# KiCad board SP110Duo.kicad_pcb
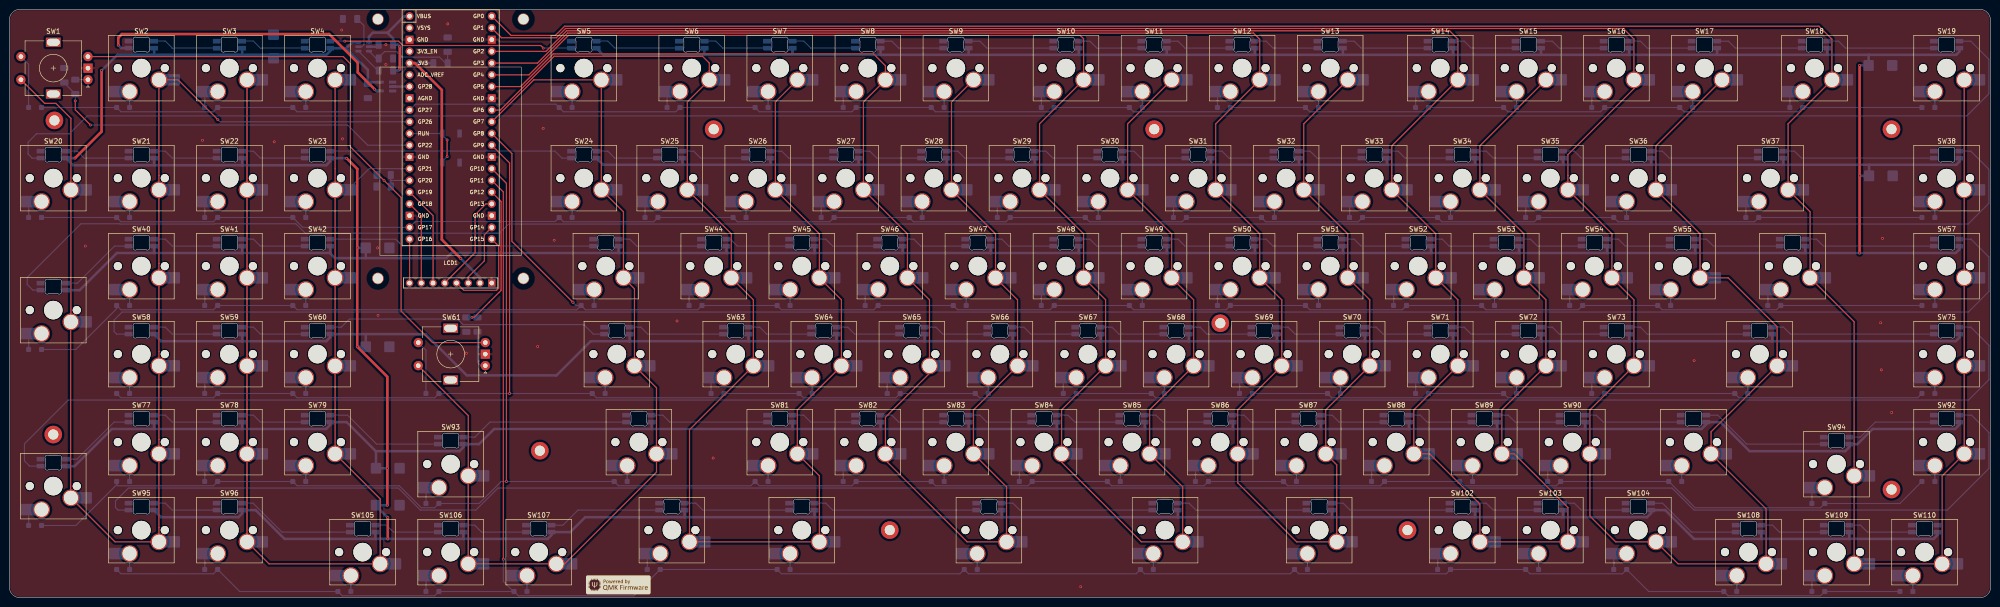
[diagram p0: board, top side]
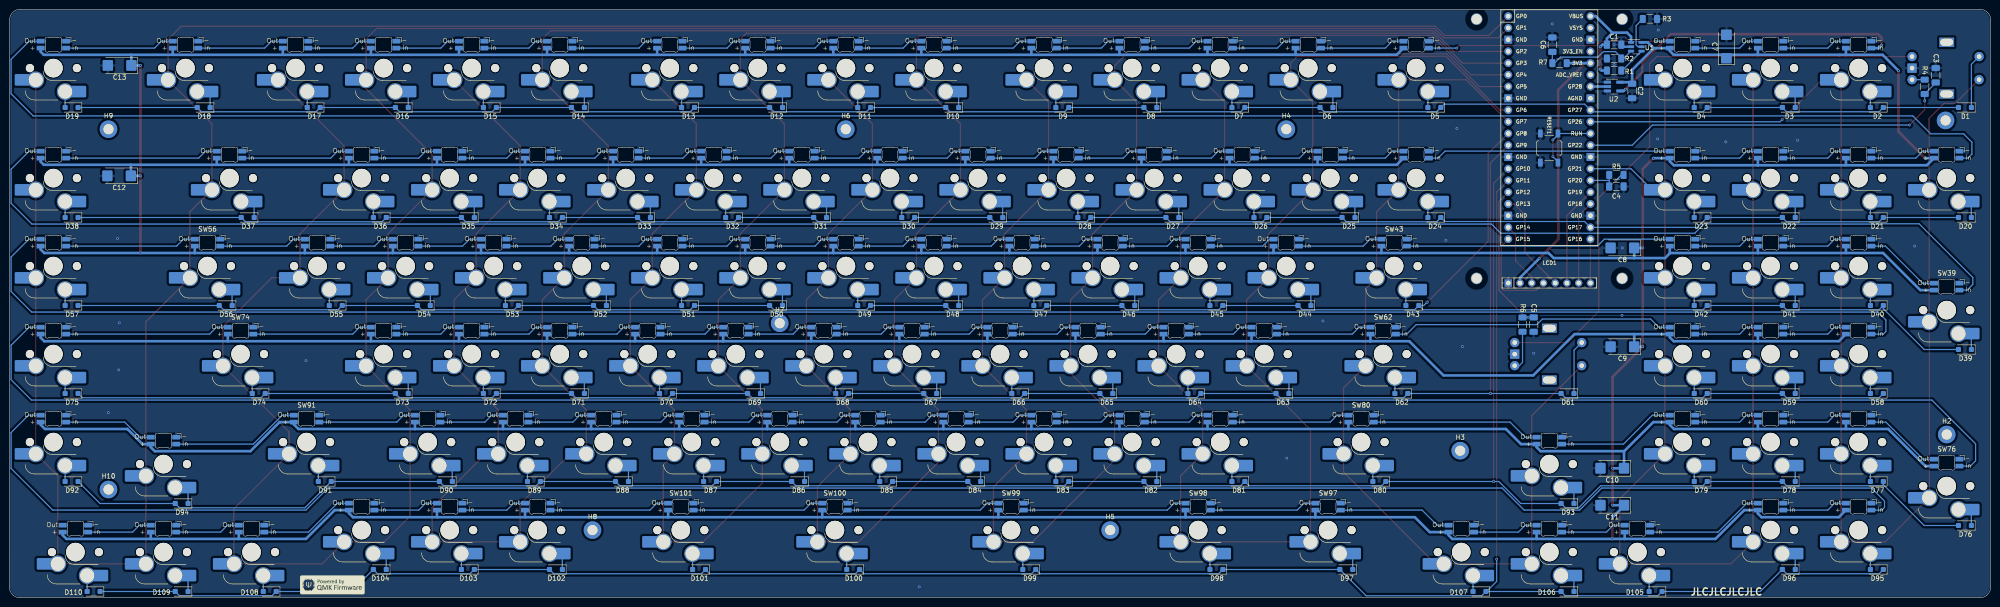
[diagram p1: board, bottom side, seen from below]

Outline 428.65 x 127.4 mm; copper layers: Top, Bottom. Coordinates in mm from the lower left corner of the outline.
Outline path: 0,125.02 0,2.38 arc(0.7,0.7) 2.38,0 426.27,0 arc(427.95,0.7) 428.65,2.38 428.6,125.02 arc(427.9,126.71) 426.22,127.4 2.38,127.4 arc(0.7,126.71) 0,125.02
Stack: Top 0.035mm / dielectric 1.51mm FR4 er 4.5 / Bottom 0.035mm

## Placement (name value [footprint] x y rotation side)
C1  100nF  [C_1206_3216Metric_Pad1.33x1.80mm_HandSolder]  81.48 119.73 0 bottom
C2  100nF  [C_1206_3216Metric_Pad1.33x1.80mm_HandSolder]  77.58 109.72 90 bottom
C3  100nF  [C_1206_3216Metric_Pad1.33x1.80mm_HandSolder]  11.91 113.12 270 bottom
C4  100nF  [C_1206_3216Metric_Pad1.33x1.80mm_HandSolder]  80.98 89.03 180 bottom
C5  100nF  [C_1206_3216Metric_Pad1.33x1.80mm_HandSolder]  98.88 59.13 90 bottom
C6  4.7uF  [C_1206_3216Metric_Pad1.33x1.80mm_HandSolder]  94.83 119.73 270 bottom
C7  100uF  [CP_EIA-6032-15_Kemet-U_Pad2.25x2.35mm_HandSolder]  57.18 119.33 90 bottom
C8  100uF  [CP_EIA-6032-15_Kemet-U_Pad2.25x2.35mm_HandSolder]  79.68 75.73 0 bottom
C9  100uF  [CP_EIA-6032-15_Kemet-U_Pad2.25x2.35mm_HandSolder]  79.68 54.33 0 bottom
C10  100uF  [CP_EIA-6032-15_Kemet-U_Pad2.25x2.35mm_HandSolder]  81.88 28.03 0 bottom
C11  100uF  [CP_EIA-6032-15_Kemet-U_Pad2.25x2.35mm_HandSolder]  81.88 20.03 0 bottom
C12  100uF  [CP_EIA-6032-15_Kemet-U_Pad2.25x2.35mm_HandSolder]  404.88 91.33 0 bottom
C13  100uF  [CP_EIA-6032-15_Kemet-U_Pad2.25x2.35mm_HandSolder]  404.78 115.23 0 bottom
D1  1N4148W  [D_SOD-123F]  5.59 106.13 0 bottom
D2  1N4148W  [D_SOD-123F]  24.64 106.13 0 bottom
D3  1N4148W  [D_SOD-123F]  43.69 106.13 0 bottom
D4  1N4148W  [D_SOD-123F]  62.74 106.13 0 bottom
D5  1N4148W  [D_SOD-123F]  120.36 106.13 0 bottom
D6  1N4148W  [D_SOD-123F]  143.7 106.13 0 bottom
D7  1N4148W  [D_SOD-123F]  162.75 106.13 0 bottom
D8  1N4148W  [D_SOD-123F]  181.8 106.13 0 bottom
D9  1N4148W  [D_SOD-123F]  200.85 106.13 0 bottom
D10  1N4148W  [D_SOD-123F]  224.66 106.13 0 bottom
D11  1N4148W  [D_SOD-123F]  243.71 106.13 0 bottom
D12  1N4148W  [D_SOD-123F]  262.76 106.13 0 bottom
D13  1N4148W  [D_SOD-123F]  281.81 106.13 0 bottom
D14  1N4148W  [D_SOD-123F]  305.62 106.13 0 bottom
D15  1N4148W  [D_SOD-123F]  324.67 106.13 0 bottom
D16  1N4148W  [D_SOD-123F]  343.72 106.13 0 bottom
D17  1N4148W  [D_SOD-123F]  362.77 106.13 0 bottom
D18  1N4148W  [D_SOD-123F]  386.59 106.13 0 bottom
D19  1N4148W  [D_SOD-123F]  415.16 106.13 0 bottom
D20  1N4148W  [D_SOD-123F]  5.59 82.32 0 bottom
D21  1N4148W  [D_SOD-123F]  24.64 82.32 0 bottom
D22  1N4148W  [D_SOD-123F]  43.69 82.32 0 bottom
D23  1N4148W  [D_SOD-123F]  62.74 82.32 0 bottom
D24  1N4148W  [D_SOD-123F]  120.36 82.32 0 bottom
D25  1N4148W  [D_SOD-123F]  138.94 82.32 0 bottom
D26  1N4148W  [D_SOD-123F]  157.99 82.32 0 bottom
D27  1N4148W  [D_SOD-123F]  177.04 82.32 0 bottom
D28  1N4148W  [D_SOD-123F]  196.09 82.32 0 bottom
D29  1N4148W  [D_SOD-123F]  215.14 82.32 0 bottom
D30  1N4148W  [D_SOD-123F]  234.19 82.32 0 bottom
D31  1N4148W  [D_SOD-123F]  253.24 82.32 0 bottom
D32  1N4148W  [D_SOD-123F]  272.29 82.32 0 bottom
D33  1N4148W  [D_SOD-123F]  291.34 82.32 0 bottom
D34  1N4148W  [D_SOD-123F]  310.39 82.32 0 bottom
D35  1N4148W  [D_SOD-123F]  329.44 82.32 0 bottom
D36  1N4148W  [D_SOD-123F]  348.49 82.32 0 bottom
D37  1N4148W  [D_SOD-123F]  377.06 82.32 0 bottom
D38  1N4148W  [D_SOD-123F]  415.16 82.32 0 bottom
D39  1N4148W  [D_SOD-123F]  5.59 53.75 0 bottom
D40  1N4148W  [D_SOD-123F]  24.64 63.27 0 bottom
D41  1N4148W  [D_SOD-123F]  43.69 63.27 0 bottom
D42  1N4148W  [D_SOD-123F]  62.74 63.27 0 bottom
D43  1N4148W  [D_SOD-123F]  125.12 63.27 0 bottom
D44  1N4148W  [D_SOD-123F]  148.46 63.27 0 bottom
D45  1N4148W  [D_SOD-123F]  167.51 63.27 0 bottom
D46  1N4148W  [D_SOD-123F]  186.56 63.27 0 bottom
D47  1N4148W  [D_SOD-123F]  205.61 63.27 0 bottom
D48  1N4148W  [D_SOD-123F]  224.66 63.27 0 bottom
D49  1N4148W  [D_SOD-123F]  243.71 63.27 0 bottom
D50  1N4148W  [D_SOD-123F]  262.76 63.27 0 bottom
D51  1N4148W  [D_SOD-123F]  281.81 63.27 0 bottom
D52  1N4148W  [D_SOD-123F]  300.86 63.27 0 bottom
D53  1N4148W  [D_SOD-123F]  319.91 63.27 0 bottom
D54  1N4148W  [D_SOD-123F]  338.96 63.27 0 bottom
D55  1N4148W  [D_SOD-123F]  358.01 63.27 0 bottom
D56  1N4148W  [D_SOD-123F]  381.82 63.27 0 bottom
D57  1N4148W  [D_SOD-123F]  415.16 63.27 0 bottom
D58  1N4148W  [D_SOD-123F]  24.64 44.22 0 bottom
D59  1N4148W  [D_SOD-123F]  43.69 44.22 0 bottom
D60  1N4148W  [D_SOD-123F]  62.74 44.22 0 bottom
D61  1N4148W  [D_SOD-123F]  91.55 44.22 0 bottom
D62  1N4148W  [D_SOD-123F]  127.51 44.22 0 bottom
D63  1N4148W  [D_SOD-123F]  153.22 44.22 0 bottom
D64  1N4148W  [D_SOD-123F]  172.27 44.22 0 bottom
D65  1N4148W  [D_SOD-123F]  191.32 44.22 0 bottom
D66  1N4148W  [D_SOD-123F]  210.37 44.22 0 bottom
D67  1N4148W  [D_SOD-123F]  229.42 44.22 0 bottom
D68  1N4148W  [D_SOD-123F]  248.47 44.22 0 bottom
D69  1N4148W  [D_SOD-123F]  267.52 44.22 0 bottom
D70  1N4148W  [D_SOD-123F]  286.57 44.22 0 bottom
D71  1N4148W  [D_SOD-123F]  305.62 44.22 0 bottom
D72  1N4148W  [D_SOD-123F]  324.67 44.22 0 bottom
D73  1N4148W  [D_SOD-123F]  343.72 44.22 0 bottom
D74  1N4148W  [D_SOD-123F]  374.68 44.22 0 bottom
D75  1N4148W  [D_SOD-123F]  415.16 44.22 0 bottom
D76  1N4148W  [D_SOD-123F]  5.59 15.65 0 bottom
D77  1N4148W  [D_SOD-123F]  24.64 25.17 0 bottom
D78  1N4148W  [D_SOD-123F]  43.69 25.17 0 bottom
D79  1N4148W  [D_SOD-123F]  62.74 25.17 0 bottom
D80  1N4148W  [D_SOD-123F]  132.27 25.17 0 bottom
D81  1N4148W  [D_SOD-123F]  162.75 25.17 0 bottom
D82  1N4148W  [D_SOD-123F]  181.8 25.17 0 bottom
D83  1N4148W  [D_SOD-123F]  200.85 25.17 0 bottom
D84  1N4148W  [D_SOD-123F]  219.9 25.17 0 bottom
D85  1N4148W  [D_SOD-123F]  238.95 25.17 0 bottom
D86  1N4148W  [D_SOD-123F]  258 25.17 0 bottom
D87  1N4148W  [D_SOD-123F]  277.05 25.17 0 bottom
D88  1N4148W  [D_SOD-123F]  296.1 25.17 0 bottom
D89  1N4148W  [D_SOD-123F]  315.15 25.17 0 bottom
D90  1N4148W  [D_SOD-123F]  334.2 25.17 0 bottom
D91  1N4148W  [D_SOD-123F]  360.39 25.17 0 bottom
D92  1N4148W  [D_SOD-123F]  415.16 25.17 0 bottom
D93  1N4148W  [D_SOD-123F]  91.55 20.41 0 bottom
D94  1N4148W  [D_SOD-123F]  391.35 20.41 0 bottom
D95  1N4148W  [D_SOD-123F]  24.64 6.12 0 bottom
D96  1N4148W  [D_SOD-123F]  43.69 6.12 0 bottom
D97  1N4148W  [D_SOD-123F]  139.41 6.12 0 bottom
D98  1N4148W  [D_SOD-123F]  167.51 6.12 0 bottom
D99  1N4148W  [D_SOD-123F]  207.99 6.12 0 bottom
D100  1N4148W  [D_SOD-123F]  246.09 6.12 0 bottom
D101  1N4148W  [D_SOD-123F]  279.43 6.12 0 bottom
D102  1N4148W  [D_SOD-123F]  310.39 6.12 0 bottom
D103  1N4148W  [D_SOD-123F]  329.44 6.12 0 bottom
D104  1N4148W  [D_SOD-123F]  348.49 6.12 0 bottom
D105  1N4148W  [D_SOD-123F]  72.5 1.36 0 bottom
D106  1N4148W  [D_SOD-123F]  91.55 1.36 0 bottom
D107  1N4148W  [D_SOD-123F]  110.6 1.36 0 bottom
D108  1N4148W  [D_SOD-123F]  372.3 1.36 0 bottom
D109  1N4148W  [D_SOD-123F]  391.35 1.36 0 bottom
D110  1N4148W  [D_SOD-123F]  410.4 1.36 0 bottom
G***  LOGO  [QMK_PoweredBy]  131.76 2.79 0 top
G***#2  LOGO  [QMK_PoweredBy]  358.75 2.79 180 bottom
H1  MountingHole  [MountingHole_2.2mm_M2_DIN965_Pad]  9.78 103.33 180 bottom
H2  MountingHole  [MountingHole_2.2mm_M2_DIN965_Pad]  9.53 35.33 180 bottom
H3  MountingHole  [MountingHole_2.2mm_M2_DIN965_Pad]  114.78 31.84 180 bottom
H4  MountingHole  [MountingHole_2.2mm_M2_DIN965_Pad]  152.38 101.44 180 bottom
H5  MountingHole  [MountingHole_2.2mm_M2_DIN965_Pad]  190.48 14.65 180 bottom
H6  MountingHole  [MountingHole_2.2mm_M2_DIN965_Pad]  247.68 101.44 180 bottom
H7  MountingHole  [MountingHole_2.2mm_M2_DIN965_Pad]  261.98 59.44 180 bottom
H8  MountingHole  [MountingHole_2.2mm_M2_DIN965_Pad]  302.48 14.65 180 bottom
H9  MountingHole  [MountingHole_2.2mm_M2_DIN965_Pad]  407.18 101.44 180 bottom
H10  MountingHole  [MountingHole_2.2mm_M2_DIN965_Pad]  407.18 23.44 180 bottom
LCD1  -  [LCD-ST7789-2in]  95.49 97.19 180 top
R1  5.1k  [R_1206_3216Metric_Pad1.30x1.75mm_HandSolder]  81.48 114.13 0 bottom
R2  5.1k  [R_1206_3216Metric_Pad1.30x1.75mm_HandSolder]  81.48 116.73 180 bottom
R3  75k  [R_1206_3216Metric_Pad1.30x1.75mm_HandSolder]  73.73 125.3 180 bottom
R4  5.1k  [R_1206_3216Metric_Pad1.30x1.75mm_HandSolder]  14.29 110.61 90 bottom
R5  5.1k  [R_1206_3216Metric_Pad1.30x1.75mm_HandSolder]  80.98 91.53 180 bottom
R6  5.1k  [R_1206_3216Metric_Pad1.30x1.75mm_HandSolder]  101.29 59.13 270 bottom
R7  10k  [R_1206_3216Metric_Pad1.30x1.75mm_HandSolder]  93.28 115.73 180 bottom
RESET1  SW_Push  [SW_SPST_TL3342]  95.53 97.35 270 bottom
SW1  RotaryEncoder_Switch  [RotaryEncoder_Alps_EC11E-Switch_Vertical_H20mm_Centred]  9.53 114.66 180 top
SW2  Switch w/LED  [Hotswap_MX_Plated_LED_1u]  28.58 114.66 0 top
SW3  Switch w/LED  [Hotswap_MX_Plated_LED_1u]  47.63 114.66 0 top
SW4  Switch w/LED  [Hotswap_MX_Plated_LED_1u]  66.68 114.66 0 top
SW5  Switch w/LED  [Hotswap_MX_Plated_LED_1u]  124.3 114.66 0 top
SW6  Switch w/LED  [Hotswap_MX_Plated_LED_1u]  147.64 114.66 0 top
SW7  Switch w/LED  [Hotswap_MX_Plated_LED_1u]  166.69 114.66 0 top
SW8  Switch w/LED  [Hotswap_MX_Plated_LED_1u]  185.74 114.66 0 top
SW9  Switch w/LED  [Hotswap_MX_Plated_LED_1u]  204.79 114.66 0 top
SW10  Switch w/LED  [Hotswap_MX_Plated_LED_1u]  228.6 114.66 0 top
SW11  Switch w/LED  [Hotswap_MX_Plated_LED_1u]  247.65 114.66 0 top
SW12  Switch w/LED  [Hotswap_MX_Plated_LED_1u]  266.7 114.66 0 top
SW13  Switch w/LED  [Hotswap_MX_Plated_LED_1u]  285.75 114.66 0 top
SW14  Switch w/LED  [Hotswap_MX_Plated_LED_1u]  309.56 114.66 0 top
SW15  Switch w/LED  [Hotswap_MX_Plated_LED_1u]  328.61 114.66 0 top
SW16  Switch w/LED  [Hotswap_MX_Plated_LED_1u]  347.66 114.66 0 top
SW17  Switch w/LED  [Hotswap_MX_Plated_LED_1u]  366.71 114.66 0 top
SW18  Switch w/LED  [Hotswap_MX_Plated_LED_1u]  390.53 114.66 0 top
SW19  Switch w/LED  [Hotswap_MX_Plated_LED_1u]  419.1 114.66 0 top
SW20  Switch w/LED  [Hotswap_MX_Plated_LED_1u]  9.53 90.85 0 top
SW21  Switch w/LED  [Hotswap_MX_Plated_LED_1u]  28.58 90.85 0 top
SW22  Switch w/LED  [Hotswap_MX_Plated_LED_1u]  47.63 90.85 0 top
SW23  Switch w/LED  [Hotswap_MX_Plated_LED_1u]  66.68 90.85 0 top
SW24  Switch w/LED  [Hotswap_MX_Plated_LED_1u]  124.3 90.85 0 top
SW25  Switch w/LED  [Hotswap_MX_Plated_LED_1u]  142.88 90.85 0 top
SW26  Switch w/LED  [Hotswap_MX_Plated_LED_1u]  161.93 90.85 0 top
SW27  Switch w/LED  [Hotswap_MX_Plated_LED_1u]  180.98 90.85 0 top
SW28  Switch w/LED  [Hotswap_MX_Plated_LED_1u]  200.03 90.85 0 top
SW29  Switch w/LED  [Hotswap_MX_Plated_LED_1u]  219.08 90.85 0 top
SW30  Switch w/LED  [Hotswap_MX_Plated_LED_1u]  238.13 90.85 0 top
SW31  Switch w/LED  [Hotswap_MX_Plated_LED_1u]  257.18 90.85 0 top
SW32  Switch w/LED  [Hotswap_MX_Plated_LED_1u]  276.23 90.85 0 top
SW33  Switch w/LED  [Hotswap_MX_Plated_LED_1u]  295.28 90.85 0 top
SW34  Switch w/LED  [Hotswap_MX_Plated_LED_1u]  314.33 90.85 0 top
SW35  Switch w/LED  [Hotswap_MX_Plated_LED_1u]  333.38 90.85 0 top
SW36  Switch w/LED  [Hotswap_MX_Plated_LED_1u]  352.43 90.85 0 top
SW37  Switch w/LED  [Hotswap_MX_Plated_LED_1u]  381 90.85 0 top
SW38  Switch w/LED  [Hotswap_MX_Plated_LED_1u]  419.1 90.85 0 top
SW39  Switch w/LED  [Hotswap_MX_Plated_LED_2u_90deg]  9.53 62.27 0 top
SW40  Switch w/LED  [Hotswap_MX_Plated_LED_1u]  28.58 71.8 0 top
SW41  Switch w/LED  [Hotswap_MX_Plated_LED_1u]  47.63 71.8 0 top
SW42  Switch w/LED  [Hotswap_MX_Plated_LED_1u]  66.68 71.8 0 top
SW43  Switch w/LED  [Hotswap_MX_Plated_LED_1.5u]  129.06 71.8 0 top
SW44  Switch w/LED  [Hotswap_MX_Plated_LED_1u]  152.4 71.8 0 top
SW45  Switch w/LED  [Hotswap_MX_Plated_LED_1u]  171.45 71.8 0 top
SW46  Switch w/LED  [Hotswap_MX_Plated_LED_1u]  190.5 71.8 0 top
SW47  Switch w/LED  [Hotswap_MX_Plated_LED_1u]  209.55 71.8 0 top
SW48  Switch w/LED  [Hotswap_MX_Plated_LED_1u]  228.6 71.8 0 top
SW49  Switch w/LED  [Hotswap_MX_Plated_LED_1u]  247.65 71.8 0 top
SW50  Switch w/LED  [Hotswap_MX_Plated_LED_1u]  266.7 71.8 0 top
SW51  Switch w/LED  [Hotswap_MX_Plated_LED_1u]  285.75 71.8 0 top
SW52  Switch w/LED  [Hotswap_MX_Plated_LED_1u]  304.8 71.8 0 top
SW53  Switch w/LED  [Hotswap_MX_Plated_LED_1u]  323.85 71.8 0 top
SW54  Switch w/LED  [Hotswap_MX_Plated_LED_1u]  342.9 71.8 0 top
SW55  Switch w/LED  [Hotswap_MX_Plated_LED_1u]  361.95 71.8 0 top
SW56  Switch w/LED  [Hotswap_MX_Plated_LED_1.5u]  385.76 71.8 0 top
SW57  Switch w/LED  [Hotswap_MX_Plated_LED_1u]  419.1 71.8 0 top
SW58  Switch w/LED  [Hotswap_MX_Plated_LED_1u]  28.58 52.75 0 top
SW59  Switch w/LED  [Hotswap_MX_Plated_LED_1u]  47.63 52.75 0 top
SW60  Switch w/LED  [Hotswap_MX_Plated_LED_1u]  66.68 52.75 0 top
SW61  RotaryEncoder_Switch  [RotaryEncoder_Alps_EC11E-Switch_Vertical_H20mm_Centred_1]  95.49 52.75 180 top
SW62  Switch w/LED  [Hotswap_MX_Plated_LED_1.75u]  131.45 52.75 0 top
SW63  Switch w/LED  [Hotswap_MX_Plated_LED_1u]  157.16 52.75 0 top
SW64  Switch w/LED  [Hotswap_MX_Plated_LED_1u]  176.21 52.75 0 top
SW65  Switch w/LED  [Hotswap_MX_Plated_LED_1u]  195.26 52.75 0 top
SW66  Switch w/LED  [Hotswap_MX_Plated_LED_1u]  214.31 52.75 0 top
SW67  Switch w/LED  [Hotswap_MX_Plated_LED_1u]  233.36 52.75 0 top
SW68  Switch w/LED  [Hotswap_MX_Plated_LED_1u]  252.41 52.75 0 top
SW69  Switch w/LED  [Hotswap_MX_Plated_LED_1u]  271.46 52.75 0 top
SW70  Switch w/LED  [Hotswap_MX_Plated_LED_1u]  290.51 52.75 0 top
SW71  Switch w/LED  [Hotswap_MX_Plated_LED_1u]  309.56 52.75 0 top
SW72  Switch w/LED  [Hotswap_MX_Plated_LED_1u]  328.61 52.75 0 top
SW73  Switch w/LED  [Hotswap_MX_Plated_LED_1u]  347.66 52.75 0 top
SW74  Switch w/LED  [Hotswap_MX_Plated_LED_2.25u]  378.62 52.75 0 top
SW75  Switch w/LED  [Hotswap_MX_Plated_LED_1u]  419.1 52.75 0 top
SW76  Switch w/LED  [Hotswap_MX_Plated_LED_2u_90deg]  9.53 24.17 0 top
SW77  Switch w/LED  [Hotswap_MX_Plated_LED_1u]  28.58 33.7 0 top
SW78  Switch w/LED  [Hotswap_MX_Plated_LED_1u]  47.63 33.7 0 top
SW79  Switch w/LED  [Hotswap_MX_Plated_LED_1u]  66.68 33.7 0 top
SW80  Switch w/LED  [Hotswap_MX_Plated_LED_2.25u]  136.21 33.7 0 top
SW81  Switch w/LED  [Hotswap_MX_Plated_LED_1u]  166.69 33.7 0 top
SW82  Switch w/LED  [Hotswap_MX_Plated_LED_1u]  185.74 33.7 0 top
SW83  Switch w/LED  [Hotswap_MX_Plated_LED_1u]  204.79 33.7 0 top
SW84  Switch w/LED  [Hotswap_MX_Plated_LED_1u]  223.84 33.7 0 top
SW85  Switch w/LED  [Hotswap_MX_Plated_LED_1u]  242.89 33.7 0 top
SW86  Switch w/LED  [Hotswap_MX_Plated_LED_1u]  261.94 33.7 0 top
SW87  Switch w/LED  [Hotswap_MX_Plated_LED_1u]  280.99 33.7 0 top
SW88  Switch w/LED  [Hotswap_MX_Plated_LED_1u]  300.04 33.7 0 top
SW89  Switch w/LED  [Hotswap_MX_Plated_LED_1u]  319.09 33.7 0 top
SW90  Switch w/LED  [Hotswap_MX_Plated_LED_1u]  338.14 33.7 0 top
SW91  Switch w/LED  [Hotswap_MX_Plated_LED_1.75u]  364.33 33.7 0 top
SW92  Switch w/LED  [Hotswap_MX_Plated_LED_1u]  419.1 33.7 0 top
SW93  Switch w/LED  [Hotswap_MX_Plated_LED_1u]  95.49 28.94 0 top
SW94  Switch w/LED  [Hotswap_MX_Plated_LED_1u]  395.29 28.94 0 top
SW95  Switch w/LED  [Hotswap_MX_Plated_LED_1u]  28.58 14.65 0 top
SW96  Switch w/LED  [Hotswap_MX_Plated_LED_1u]  47.63 14.65 0 top
SW97  Switch w/LED  [Hotswap_MX_Plated_LED_1.5u]  143.35 14.65 0 top
SW98  Switch w/LED  [Hotswap_MX_Plated_LED_1.5u]  171.45 14.65 0 top
SW99  Switch w/LED  [Hotswap_MX_Plated_LED_2.75u]  211.93 14.65 0 top
SW100  Switch w/LED  [Hotswap_MX_Plated_LED_1.25u]  250.03 14.65 0 top
SW101  Switch w/LED  [Hotswap_MX_Plated_LED_2.25u]  283.37 14.65 0 top
SW102  Switch w/LED  [Hotswap_MX_Plated_LED_1u]  314.33 14.65 0 top
SW103  Switch w/LED  [Hotswap_MX_Plated_LED_1u]  333.38 14.65 0 top
SW104  Switch w/LED  [Hotswap_MX_Plated_LED_1u]  352.43 14.65 0 top
SW105  Switch w/LED  [Hotswap_MX_Plated_LED_1u]  76.44 9.88 0 top
SW106  Switch w/LED  [Hotswap_MX_Plated_LED_1u]  95.49 9.88 0 top
SW107  Switch w/LED  [Hotswap_MX_Plated_LED_1u]  114.54 9.88 0 top
SW108  Switch w/LED  [Hotswap_MX_Plated_LED_1u]  376.24 9.88 0 top
SW109  Switch w/LED  [Hotswap_MX_Plated_LED_1u]  395.29 9.88 0 top
SW110  Switch w/LED  [Hotswap_MX_Plated_LED_1u]  414.34 9.88 0 top
U1  TPS2553DBVR  [SOT-23-6]  76.68 119.28 180 bottom
U2  74AHC1G125  [SOT-23-5_HandSoldering]  81.58 110.66 180 bottom
U3  -  [Raspberry_Pi_Pico]  95.49 101.78 180 bottom

## Library data of the parts
C1-C6 = -: Description: Unpolarized capacitor
C7-C13 = -: Description: Polarized capacitor
D1-D110 = -: Description: 75V 0.15A Fast Switching Diode, SOD-123; Sim.Device: D; Sim.Pins: 1=K 2=A
H1-H10 = -: Description: Mounting Hole without connection
R1-R7 = -: Description: Resistor
RESET1 = -: Description: Push button switch, generic, two pins
SW1 SW61 = -: Description: Rotary encoder, dual channel, incremental quadrate outputs, with switch
SW2-SW60 SW62-SW110 = -: Description: Push button switch, normally open, two pins, 45° tilted
U2 = -: Description: Single Buffer Gate Tri-State, Low-Voltage CMOS

## Footprints (pads in the part's own frame, mm; a bottom-side part is the same pattern mirrored in y, then rotated)
C_1206_3216Metric_Pad1.33x1.80mm_HandSolder
  rrect 1.325x1.8 smd: 1(-1.562,0) 2(1.562,0)
CP_EIA-6032-15_Kemet-U_Pad2.25x2.35mm_HandSolder
  rrect 2.25x2.35 smd: 1(-2.55,0) 2(2.55,0)
D_SOD-123F
  rrect 1.1x1.1 smd: 1(-1.4,0) 2(1.4,0)
Hotswap_MX_Plated_LED_1.5u
  rrect 2.55x2.5 smd: (-5.842,-5.08) (7.085,-2.54)
  round 1.75 hole 1.75 unplated: (-5.08,0) (5.08,0)
  round 4 hole 4 unplated: (0,0)
  round 3.6 hole 3.05: 1(3.81,-2.54) 2(-2.54,-5.08)
  rrect 3.55x2.5 smd far side: 1(6.585,-2.54) 2(-5.32,-5.08)
  rrect 1.7x1 smd far side: 3(2.75,4.33) 4(2.75,5.83) 5(-2.75,4.33) 6(-2.75,5.83)
Hotswap_MX_Plated_LED_1.25u
  rrect 2.55x2.5 smd: (-5.842,-5.08) (7.085,-2.54)
  round 1.75 hole 1.75 unplated: (-5.08,0) (5.08,0)
  round 4 hole 4 unplated: (0,0)
  round 3.6 hole 3.05: 1(3.81,-2.54) 2(-2.54,-5.08)
  rrect 3.55x2.5 smd far side: 1(6.585,-2.54) 2(-5.32,-5.08)
  rrect 1.7x1 smd far side: 3(2.75,4.33) 4(2.75,5.83) 5(-2.75,4.33) 6(-2.75,5.83)
Hotswap_MX_Plated_LED_1.75u
  rrect 2.55x2.5 smd: (-5.842,-5.08) (7.085,-2.54)
  round 1.75 hole 1.75 unplated: (-5.08,0) (5.08,0)
  round 4 hole 4 unplated: (0,0)
  round 3.6 hole 3.05: 1(3.81,-2.54) 2(-2.54,-5.08)
  rrect 3.55x2.5 smd far side: 1(6.585,-2.54) 2(-5.32,-5.08)
  rrect 1.7x1 smd far side: 3(2.75,4.33) 4(2.75,5.83) 5(-2.75,4.33) 6(-2.75,5.83)
Hotswap_MX_Plated_LED_1u
  rrect 2.55x2.5 smd: (-5.842,-5.08) (7.085,-2.54)
  round 1.75 hole 1.75 unplated: (-5.08,0) (5.08,0)
  round 4 hole 4 unplated: (0,0)
  round 3.6 hole 3.05: 1(3.81,-2.54) 2(-2.54,-5.08)
  rrect 3.55x2.5 smd far side: 1(6.585,-2.54) 2(-5.32,-5.08)
  rrect 1.7x1 smd far side: 3(2.75,4.33) 4(2.75,5.83) 5(-2.75,4.33) 6(-2.75,5.83)
Hotswap_MX_Plated_LED_2.25u
  rrect 2.55x2.5 smd: (-5.842,-5.08) (7.085,-2.54)
  round 1.75 hole 1.75 unplated: (-5.08,0) (5.08,0)
  round 4 hole 4 unplated: (0,0)
  round 3.6 hole 3.05: 1(3.81,-2.54) 2(-2.54,-5.08)
  rrect 3.55x2.5 smd far side: 1(6.585,-2.54) 2(-5.32,-5.08)
  rrect 1.7x1 smd far side: 3(2.75,4.33) 4(2.75,5.83) 5(-2.75,4.33) 6(-2.75,5.83)
Hotswap_MX_Plated_LED_2.75u
  rrect 2.55x2.5 smd: (-5.842,-5.08) (7.085,-2.54)
  round 1.75 hole 1.75 unplated: (-5.08,0) (5.08,0)
  round 4 hole 4 unplated: (0,0)
  round 3.6 hole 3.05: 1(3.81,-2.54) 2(-2.54,-5.08)
  rrect 3.55x2.5 smd far side: 1(6.585,-2.54) 2(-5.32,-5.08)
  rrect 1.7x1 smd far side: 3(2.75,4.33) 4(2.75,5.83) 5(-2.75,4.33) 6(-2.75,5.83)
Hotswap_MX_Plated_LED_2u_90deg
  rrect 2.55x2.5 smd: (-5.842,-5.08) (7.085,-2.54)
  round 1.75 hole 1.75 unplated: (-5.08,0) (5.08,0)
  round 4 hole 4 unplated: (0,0)
  round 3.6 hole 3.05: 1(3.81,-2.54) 2(-2.54,-5.08)
  rrect 3.55x2.5 smd far side: 1(6.585,-2.54) 2(-5.32,-5.08)
  rrect 1.7x1 smd far side: 3(2.75,4.33) 4(2.75,5.83) 5(-2.75,4.33) 6(-2.75,5.83)
LCD-ST7789-2in
  round 2.5 hole 2.2 unplated: (-15.74,28.06) (-15.74,-28.06) (15.74,28.06) (15.74,-28.06)
  rect 1.6x1.6 hole 1: 1(-8.89,29.06)
  round 1.6 hole 1: 2(-6.35,29.06) 3(-3.81,29.06) 4(-1.27,29.06) 5(1.27,29.06) 6(3.81,29.06) 7(6.35,29.06) 8(8.89,29.06)
MountingHole_2.2mm_M2_DIN965_Pad
  round 3.8 hole 2.2: 1(0,0)
R_1206_3216Metric_Pad1.30x1.75mm_HandSolder
  rrect 1.3x1.75 smd: 1(-1.55,0) 2(1.55,0)
Raspberry_Pi_Pico
  oval 1.7x1.7 hole 1.02: 1(-8.89,24.13) 2(-8.89,21.59) 4(-8.89,16.51) 5(-8.89,13.97) 6(-8.89,11.43) 7(-8.89,8.89) 9(-8.89,3.81) 10(-8.89,1.27) 11(-8.89,-1.27) 12(-8.89,-3.81) 14(-8.89,-8.89) 15(-8.89,-11.43) 16(-8.89,-13.97) 17(-8.89,-16.51) 19(-8.89,-21.59) 20(-8.89,-24.13) 21(8.89,-24.13) 22(8.89,-21.59) 24(8.89,-16.51) 25(8.89,-13.97) 26(8.89,-11.43) 27(8.89,-8.89) 29(8.89,-3.81) 30(8.89,-1.27) 31(8.89,1.27) 32(8.89,3.81) 34(8.89,8.89) 35(8.89,11.43) 36(8.89,13.97) 37(8.89,16.51) 39(8.89,21.59) 40(8.89,24.13)
  rect 1.7x1.7 hole 1.02: 3(-8.89,19.05) 8(-8.89,6.35) 13(-8.89,-6.35) 18(-8.89,-19.05) 23(8.89,-19.05) 28(8.89,-6.35) 33(8.89,6.35) 38(8.89,19.05)
RotaryEncoder_Alps_EC11E-Switch_Vertical_H20mm_Centred
  round 2 hole 1: A(-7.5,2.5) B(-7.5,-2.5) S1(7,-2.5) S2(7,2.5)
  rect 2x2 hole 1: C(-7.5,0)
  rect 3.2x2 hole 2.8x1.5: MP(0,5.6) MP(0,-5.6)
RotaryEncoder_Alps_EC11E-Switch_Vertical_H20mm_Centred_1
  round 2 hole 1: A(-7.5,2.5) B(-7.5,-2.5) S1(7,-2.5) S2(7,2.5)
  rect 2x2 hole 1: C(-7.5,0)
  rect 3.2x2 hole 2.8x1.5: MP(0,5.6) MP(0,-5.6)
SOT-23-5_HandSoldering
  rect 1.56x0.65 smd: 1(-1.35,0.95) 2(-1.35,0) 3(-1.35,-0.95) 4(1.35,-0.95) 5(1.35,0.95)
SOT-23-6
  rrect 1.325x0.6 smd: 1(-1.137,0.95) 2(-1.137,0) 3(-1.137,-0.95) 4(1.137,-0.95) 5(1.137,0) 6(1.137,0.95)
SW_SPST_TL3342
  rect 1.7x1 smd: 1(-3.15,1.9) 1(3.15,1.9) 2(-3.15,-1.9) 2(3.15,-1.9)
